# Altium PCB Project_2_Slave_PCB_V1_2.PcbDoc
Units mil, origin at the board's own origin, x right, y up, seen from the top; angles counter-clockwise.
Board outline 3205 x 3925 mil, 2 copper layers (Top Layer, Bottom Layer); 89 components, 95 nets, 294 pads, 77 vias.
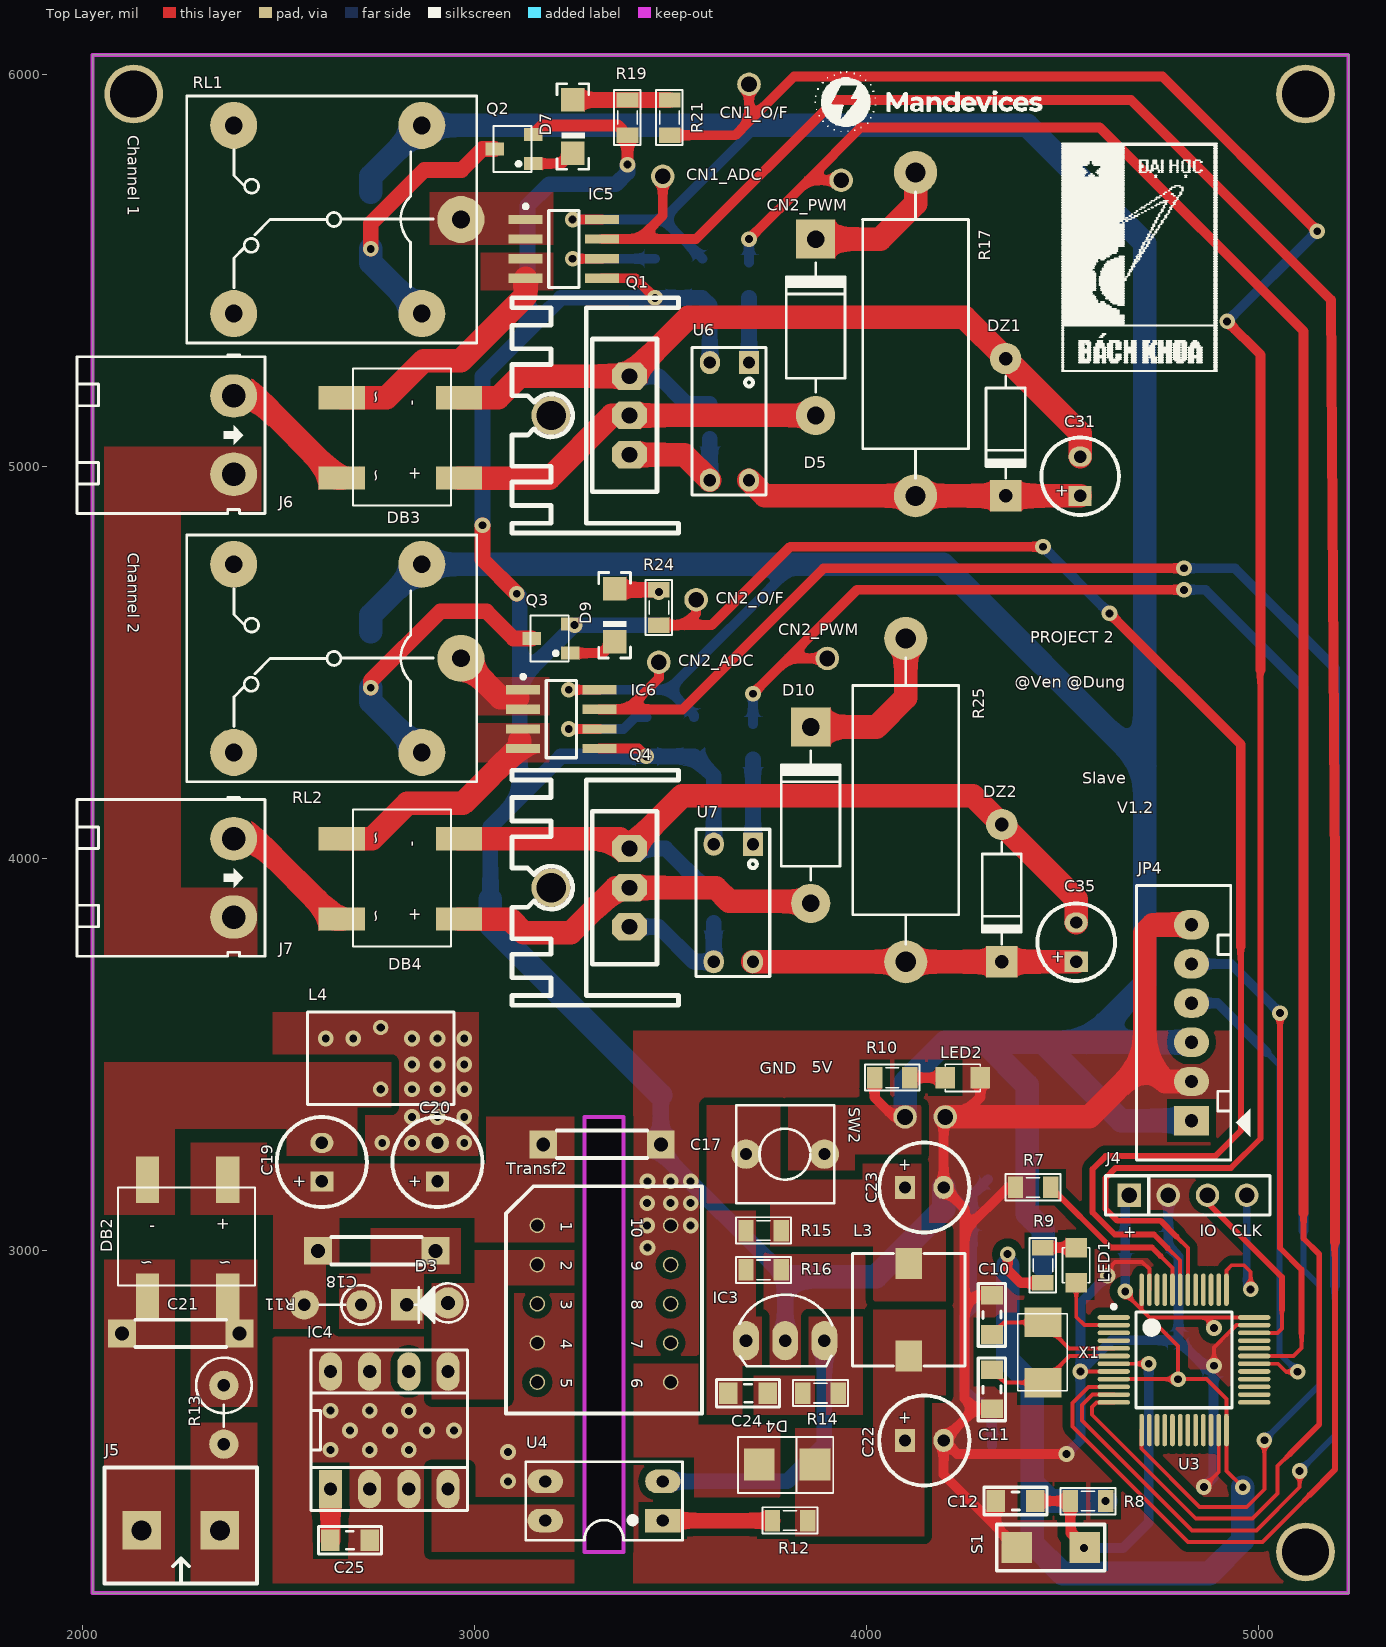
[diagram p0: Top Layer view]
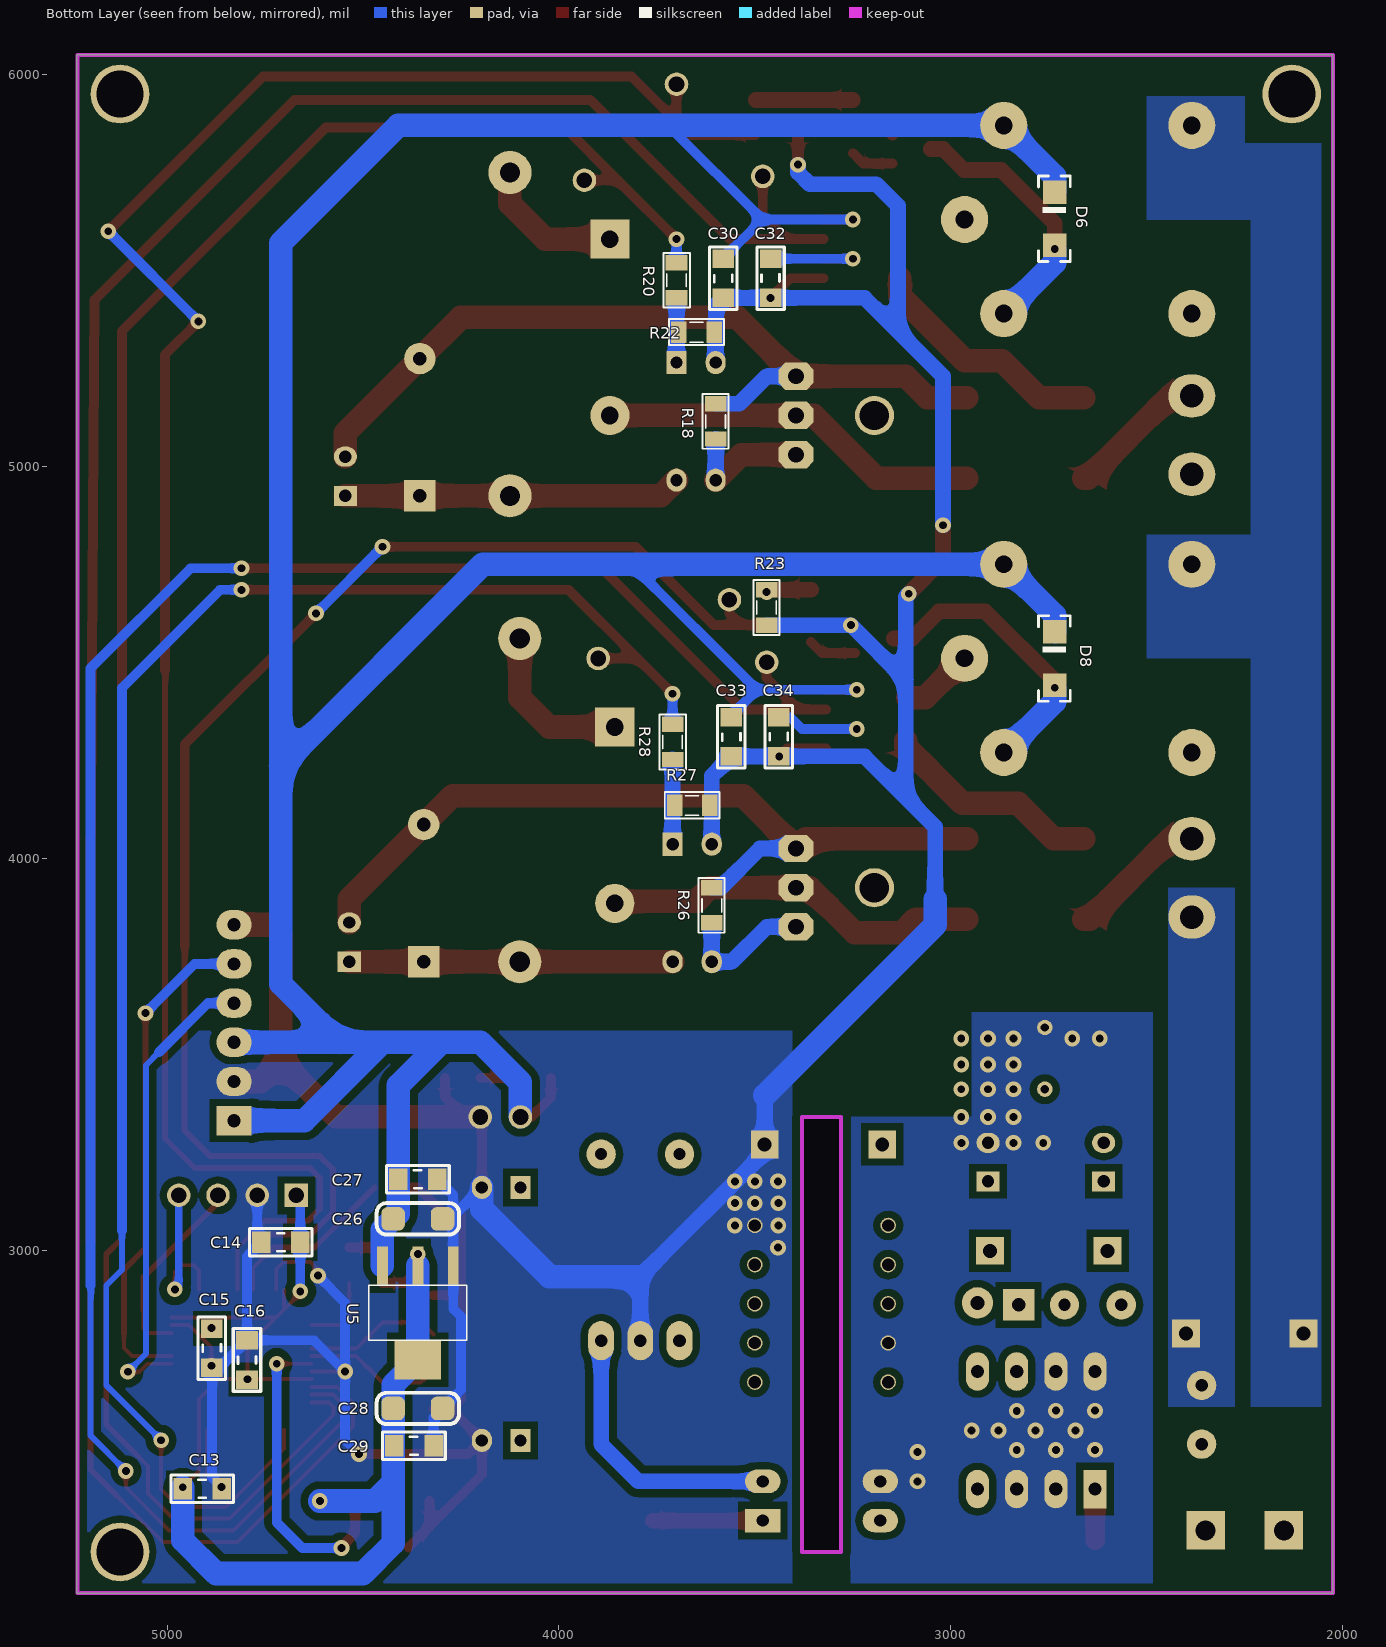
[diagram p1: Bottom Layer view, seen from below]
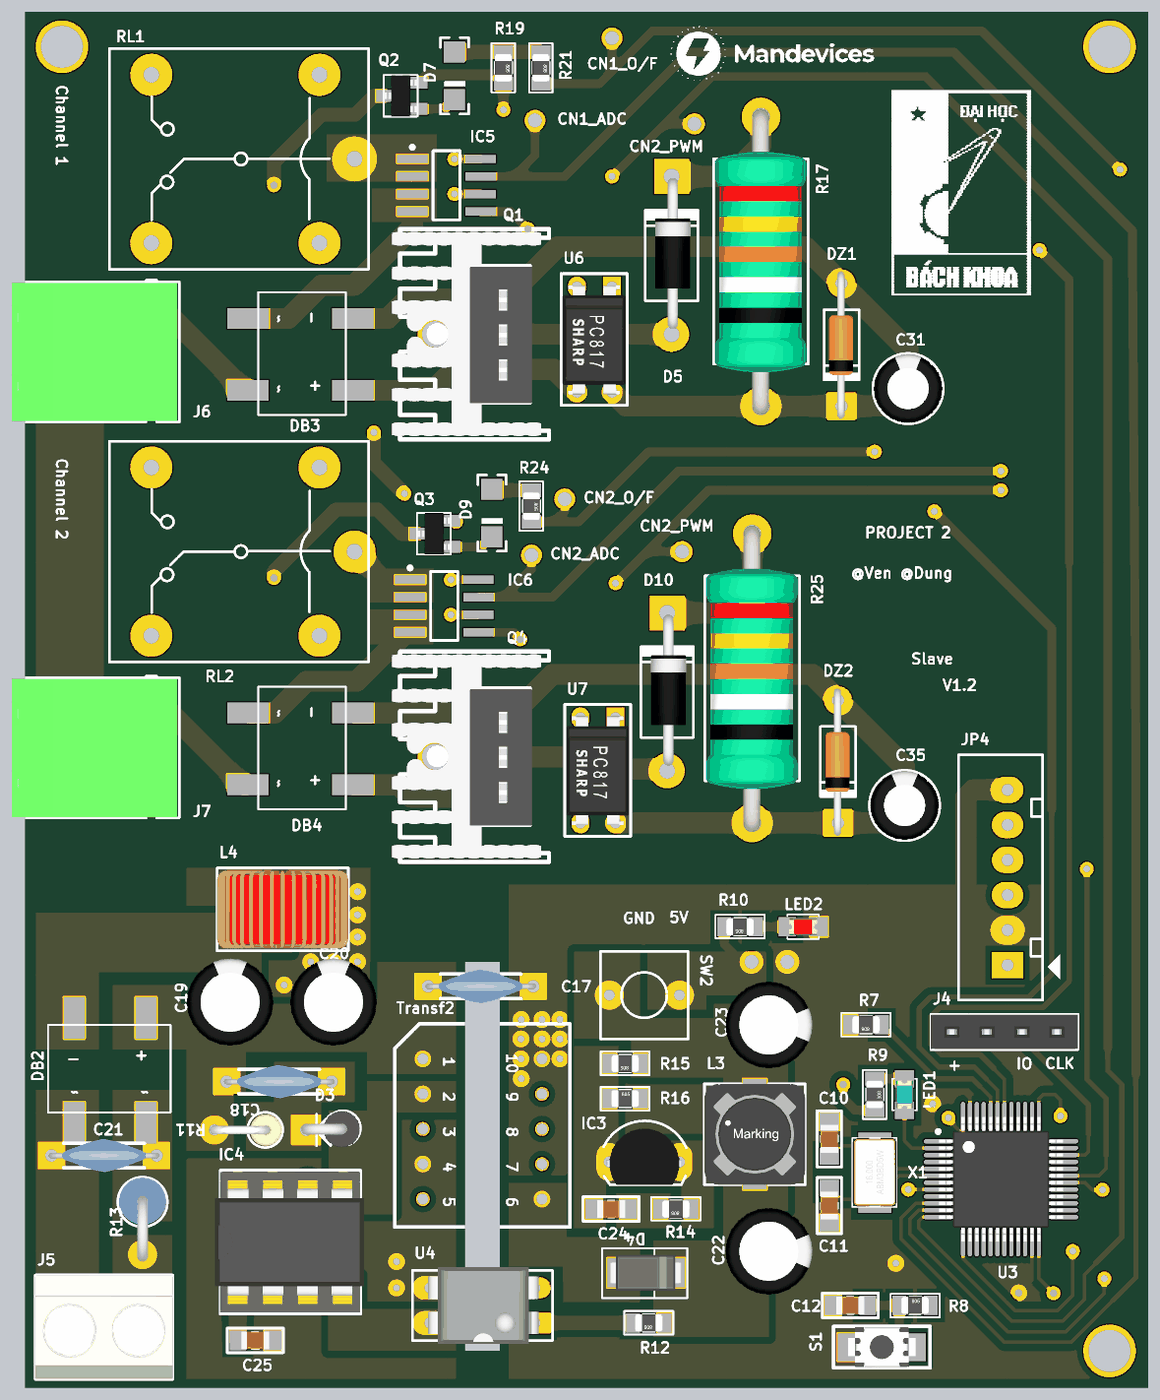
[diagram p2: 3D render of the assembled board from above, using the file's embedded part models]
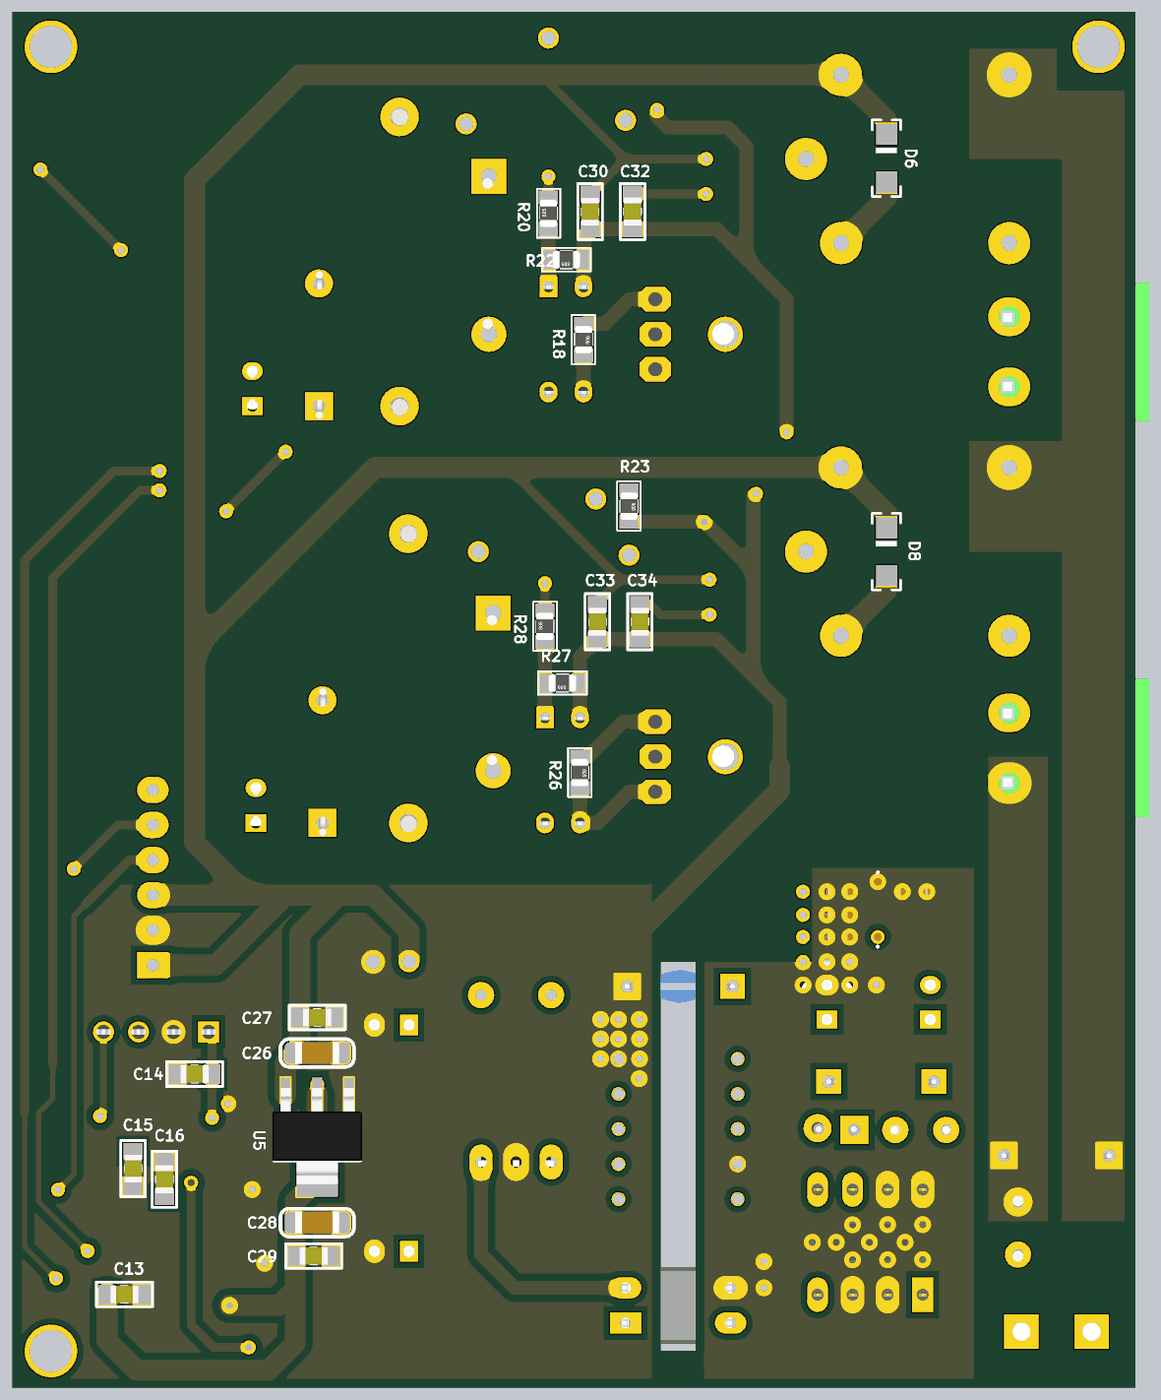
[diagram p3: 3D render of the assembled board from below, using the file's embedded part models]

## Layer stack, top to bottom
Top Solder: solder mask 0.4, Solder Resist, Dk 3.5
Top Layer: signal copper 1.4
Dielectric 1: dielectric 12.6, FR-4, Dk 4.8
Bottom Layer: signal copper 1.4
Bottom Solder: solder mask 0.4, Solder Resist, Dk 3.5

## Board outline
2025,2125 2025,6050 5230,6050 5230,2125
cut-out: 3280,2230 3380,2230 3380,3340 3280,3340

## Design rules (kind name [scope] priority, off if disabled: settings)
Clearance [All] p1: gap=20 ignorepadtopadclearanceinfootprint=TRUE except(0: Arc-Text Arc-Hole Track-Text Track-Hole SMDPad-Text SMDPad-Hole THPad-Text THPad-Hole Via-Text Via-Hole Fill-Text Fill-Hole Poly-Text Poly-Hole Region-Text Region-Hole Text-Text Text-Hole; 8: Arc-Arc Arc-Track Arc-SMDPad Track-Track Track-SMDPad; 10: Arc-THPad Arc-Via Track-THPad Track-Via SMDPad-SMDPad SMDPad-THPad SMDPad-Via THPad-THPad THPad-Via Via-Via; 18: THPad-Fill THPad-Poly THPad-Region)
PolygonConnect [All] p1: connectstyle=Direct reliefconductorwidth=10 reliefentries=4 polygonreliefangle="90 Angle" airgapwidth=10
RoutingVias [All] p1: holewidth=20 width=40 viastyle="Through Hole" minholewidth=15 minwidth=25 maxholewidth=25 maxwidth=45
SolderMaskExpansion [All] p1: expansion=4
Width [All] p1: maxlimit=60 minlimit=10 preferedwidth=25
30 further rules are at their usual default settings.

## Classes and differential pairs
component class 8: JP4
component class 7: C30 C31 C32 C33 C34 C35 D5 D6 D7 D8 D9 D10 DB3 DB4 DZ1 DZ2 IC5 IC6 J6 J7 Q1 Q2 Q3 Q4 R17 R18 R20 R21 R22 R23 R24 R25 R26 R27 R28 RL1 RL2 U6 U7
component class 6: C17 C18 C19 C20 C21 C22 C23 C24 C25 C30 C31 C32 C33 D3 D4 DB2 IC3 IC4 J5 L3 L4 LED2 R11 R12 R13 R14 R15 R16 R18 SW2 Transf2 U4 U7
component class 5: C11 C12 C13 C14 C15 C16 J5 LED1 R7 R8 S1 U4 X1

## Components (designator, comment, footprint, x,y, rotation, side; value= is the part's Value field where it differs from the comment)
C10 "22pF" CAP_0805 4319,2834.84 r90 top value=33p
C11 "22pF" CAP_0805 4321,2644.84 r270 top value=33p
C12 "1uF" CAP_0805 4380,2361 r0 top value=33p
C13 "100nF" CAP_0805 4910,2390.5 r0 bottom value=33p
C14 "100nF" CAP_0805 4710,3021 r180 bottom value=33p
C15 "100nF" CAP_0805 4886.63,2750 r90 bottom value=33p
C16 "100nF" CAP_0805 4795,2720 r270 bottom value=33p
C17 "1nF/400v" 103/2KV 3475.04,3270 r180 top
C18 "1nF/400V" 103/2KV 2600,2998.34 r0 top
C19 "6.8uF/400V" C8mm 2610,3224.71 r90 top
C20 "6.8uF/400V" C8mm 2905,3224.71 r90 top
C21 "20D471K" 103/2KV 2100,2787.5 r0 top
C22 "1000uF/16V" C8mm 4147.38,2514.45 r0 top
C23 "470uF/16V" C8mm 4147.38,3160 r0 top
C24 "100nF" CAP_0805 3697.38,2636 r0 top value=33p
C25 "100nF" CAP_0805 2681.99,2259 r180 top value=33p
C26 "100uF" CAP_3216 4360,3080 r0 bottom value=33p
C27 "100nF" CAP_0805 4360,3180 r0 bottom value=33p
C28 "100uF" CAP_3216 4360,2596.16 r0 bottom value=33p
C29 "100nF" CAP_0805 4370,2500 r0 bottom value=33p
C30 "100nF" CAP_0805 3580,5480 r270 bottom value=33p
C31 "Cap Pol" C5mm 4545,4975 r90 top
C32 "10nF" CAP_0805 3461,5480 r90 bottom value=33p
C33 "100nF" CAP_0805 3559,4310 r270 bottom value=33p
C34 "10nF" CAP_0805 3440,4310 r90 bottom value=33p
C35 "Cap Pol" C5mm 4535,3786 r90 top
D3 "1N4937" DIO-1AN 2876.99,2860.5 r0 top value=1N5007
D4 "SS14" DO-214AC(SMA) 3775,2450 r180 top value=1N5007
D5 "1N4007" D2A 3870,5580 r270 top
D6 "1N4148" 1N4148_SMD 2735,5632.09 r90 bottom value="Diode c?m 1N5408"
D7 "1N4148" 1N4148_SMD 3250,5867.09 r270 top value="Diode c?m 1N5408"
D8 "1N4148" 1N4148_SMD 2735,4510 r90 bottom value="Diode c?m 1N5408"
D9 "1N4148" 1N4148_SMD 3356.83,4620 r270 top value="Diode c?m 1N5408"
D10 "1N4007" D2A 3857.5,4335 r270 top
DB2 "Diode Bridge" DB207S 2270,3030 r0 top
DB3 "Diode Bridge Flate" DB207S 2810,5070 r270 top
DB4 "Diode Bridge Flate" DB207S 2810,3945 r270 top
DZ1 "Zener-12V" D1A 4355,5275 r90 top
DZ2 "Zener-12V" D1A 4345,4086 r90 top
IC3 "TL431" qto-92 3792.38,2769 r0 top
IC4 "TNY264" DIP8 2780,2540.5 r90 top
IC5 "Current Sensor IC" SOIC-8 3227.44,5555 r0 top
IC6 "Current Sensor IC" SOIC-8 3221,4355 r0 top
J4 "JP4" JP4-C1T 4670,3140 r0 top
J5 "AC-IN" KF2-5.08 2250,2285 r180 top
J6 "LOAD1" KF2-5.08T 2385,5180 r270 top
J7 "LOAD2" KF2-5.08T 2385,4050 r270 top
JP4 "Con6" CON6 4829,3330.42 r90 top value="Connector 6"
L3 "2.2uF" L-SMD-M-7.3x4.5 4107.38,2848.11 r180 top value="150 mH"
L4 "100uF" L-DIP-M-9.5x6 2760,3489.5 r90 top value="150 mH"
LED1 "LED" LED-0805-Blue 4535,3006.61 r270 top value="LED 3 ly Single Colour"
LED2 "LED" LED-0805-Red 4200.51,3440 r0 top value="LED 3 ly Single Colour"
Q1 "IRF840" QTO-220H3 3395,5030 r90 top
Q2 "2SC1815" SOT23D 3100,5810 r90 top value=C1815
Q3 "2SC1815" SOT23D 3195,4561 r90 top value=C1815
Q4 "IRF840" QTO-220H3 3395,3825 r90 top
R7 "10k" RES-SMD-0805 4425,3160.35 r180 top
R8 "10k" RES-SMD-0805 4565,2360 r0 top
R9 "1k" RES-SMD-0805 4450,2961.61 r270 top
R10 "1k" RES-SMD-0805 4065.51,3440 r180 top
R11 "200k" RES-1/4WD 2645,2860.5 r180 top
R12 "200R" RES-SMD-0805 3805,2310 r180 top
R13 "2R" RES-1WD 2360,2590 r270 top
R14 "3.3k" RES-SMD-0805 3882.37,2635 r180 top
R15 "10k" RES-SMD-0805 3737.37,3050 r180 top
R16 "10k" RES-SMD-0805 3737.38,2950 r0 top
R17 "56k/2W" RES-2W 4120,5345 r270 top value="R1/4W - 1K"
R18 "10k" RES-SMD-0805 3600,5115 r270 bottom value="R1/4W - 1K"
R19 "100k" RES-SMD-0805 3390,5890 r270 top
R20 "1k" RES-SMD-0805 3700,5475 r90 bottom
R21 "100R" RES-SMD-0805 3497.25,5890 r270 top
R22 "100k" RES-SMD-0805 3649,5342.31 r0 bottom
R23 "100k" RES-SMD-0805 3470,4640 r270 bottom
R24 "100R" RES-SMD-0805 3470,4640 r270 top
R25 "56k/2W" RES-2W 4095,4156 r270 top value="R1/4W - 1K"
R26 "10k" RES-SMD-0805 3610,3880 r270 bottom value="R1/4W - 1K"
R27 "100k" RES-SMD-0805 3660,4135 r0 bottom
R28 "1k" RES-SMD-0805 3710,4297 r90 bottom
RL1 "Relay 10A/12V" RL_SPDT_10A 2965,5630 r180 top value="Relay SPDT, 10A, 12V"
RL2 "Relay 10A/12V" RL_SPDT_10A 2965,4510 r180 top value="Relay SPDT, 10A, 12V"
S1 "SW-SMD" "SW 3x2x4" 4470,2241 r0 top
SW2 "SW" SW2 3692.38,3245 r0 top value="SW chip 2 pin"
Transf2 "Transformer EE16" "Transformer EE12.7" 3330,2863.18 r270 top
U3 "STM32F103C8T6" "LQFP 48" 4810,2720 r0 top
U4 "PC817" DIP4/W0.3 3480,2310 r90 top
U5 "LM1117-ADJ" LM1117-SOP 4360,2910 r0 bottom
U6 "OPTO" OPTO 3700,5264 r270 top value=TLP5211
U7 "OPTO" OPTO 3710,4035 r270 top value=TLP5211
X1 "8Mhz" "XTAL 5032 SMD" 4450,2739.84 r90 top value=4Mhz

## Footprints (in the part's own frame and the unit in brackets; to place one, negate y for a bottom-side part, rotate by r counter-clockwise, add the part's x,y. Pads: shape width x height; smd on the part's side, far side on the other; paste and mask are expansions set on the pad)
1N4148_SMD [mil]
  rect 60x60 smd: 1(-67.91,0) 2(67.91,0)
  silkscreen extent -109,-40 109,41, body extent -71,-23 67,25, height 47
103/2KV [mm]
  rect 1.8x1.8 hole 0.9: 1(0,0) 2(7.62,0)
  silkscreen extent 0.89,-0.89 6.73,0.89, body extent -0.19,-1.2 7.81,1.19, height 9.03
C5mm [mm]
  rect 1.3x1.5 hole 0.8: 1(-1.27,0)
  oval 1.3x1.5 hole 0.8: 2(1.27,0)
  silkscreen extent -2.51,-2.51 2.51,2.51, body extent -2.5,-2.5 2.49,2.5, height 11.01
C8mm [mm]
  rect 1.3x1.5 hole 0.8: 1(-1.25,0)
  oval 1.3x1.5 hole 0.8: 2(1.25,0)
  silkscreen extent -2.92,-2.92 2.92,2.92, body extent -3.15,-3.15 3.16,3.15, height 11.51
CAP_0805 [mm]
  rect 1.2x1.4 smd: 1(-1.27,-0.025) 2(1.27,-0.025)
  silkscreen extent -2.03,-0.91 2.03,0.86, body extent -1.01,-0.66 1.01,0.61, height 0.61
CAP_3216 [mil]
  rrect50% 60x60 smd: 1(-62.99,0) 2(62.99,0)
  silkscreen extent -105,-40 105,40, body extent -63,-31 63,31, height 39
CON6 [mil] "CON6"
  rect 75x90 hole 34: 1(0,0)
  oval 75x90 hole 34: 2(100,0) 3(200,0) 4(300,0) 5(400,0) 6(500,0)
  silkscreen extent -100,-150 600,140
D1A [mil] "Diode 1A, W 100mil, L 350mil"
  round 80 hole 35: 1(0,0)
  rect 80x80 hole 35: 2(-350,0)
  silkscreen extent -305,-50 -45,50, body extent -386,-33 34,36, height 84
D2A [mil] "Diode 2A, W 150mil, L 450mil"
  round 100 hole 45: 1(450,0)
  rect 100x100 hole 45: 2(0,0)
  silkscreen extent 61,-75 391,75, body extent 5,-47 435,54, height 100
DB207S [mm] "Bridge Rectifiers 2A 1000V"
  rect 1.5x3 smd: 1(2.54,3.81) 2(2.54,-3.785) 3(-2.667,-3.785) 4(-2.667,3.81)
  silkscreen extent -4.57,-3.05 4.32,3.3
DIO-1AN [mil] "Diode 1A, W 100mil, L 150mil"
  round 80 hole 35: 1(55,5)
  rect 80x80 hole 35: 2(-50,0)
  silkscreen extent -30,-45 105,55, body extent -64,-50 104,55, height 252
DIP4/W0.3 [mil] "4 PIN, W 300mil, Pin to pin 100mil"
  rect 60x90 hole 31: 1(0,0)
  oval 60x90 hole 31: 2(100,0) 3(100,300) 4(0,300)
  silkscreen extent -50,-50 150,350, body extent -59,-10 159,305, height 170
DIP8 [mm]
  rect 2.5x1.5 hole 0.864: 1(-3.81,3.759)
  oval 2.5x1.5 hole 0.864: 2(-3.81,1.219) 3(-3.81,-1.321) 4(-3.81,-3.861) 5(3.81,-3.861) 6(3.81,-1.321) 7(3.81,1.219) 8(3.81,3.759)
  silkscreen extent -5.21,-5.13 5.21,5.03, body extent -5.08,-5.4 5.08,5.4, height 8.1
DO-214AC(SMA) [mm] "DO-214AC Diode Smallest Size"
  rect 2x2.1 smd: 1(1.245,-0.076) 2(-2.367,-0.076)
  silkscreen extent -3.56,-1.86 2.62,1.76, body extent -3.13,-1.38 2.07,1.22, height 2.4
JP4-C1T [mm] "4 row, straight, gold plating"
  rect 1.52x1.52 hole 1.02: 1(0,0)
  round 1.52 hole 1.02: 2(2.54,0) 3(5.08,0) 4(7.62,0)
  silkscreen extent -1.52,-1.27 9.14,1.27, body extent -1.52,-1.25 9.14,1.25, height 8.51